# Altium PCB CU-ON-OFF-V2-08-11-18.PcbDoc (part 8 of 14)
Units mm, origin at the board's own origin, x right, y up, seen from the top; angles counter-clockwise.
Board outline 213 x 122.62 mm, 2 copper layers (Top Layer, Bottom Layer); 304 components, 53 nets, 991 pads, 702 vias.
Unrouted connection lines stored in the file: 1.
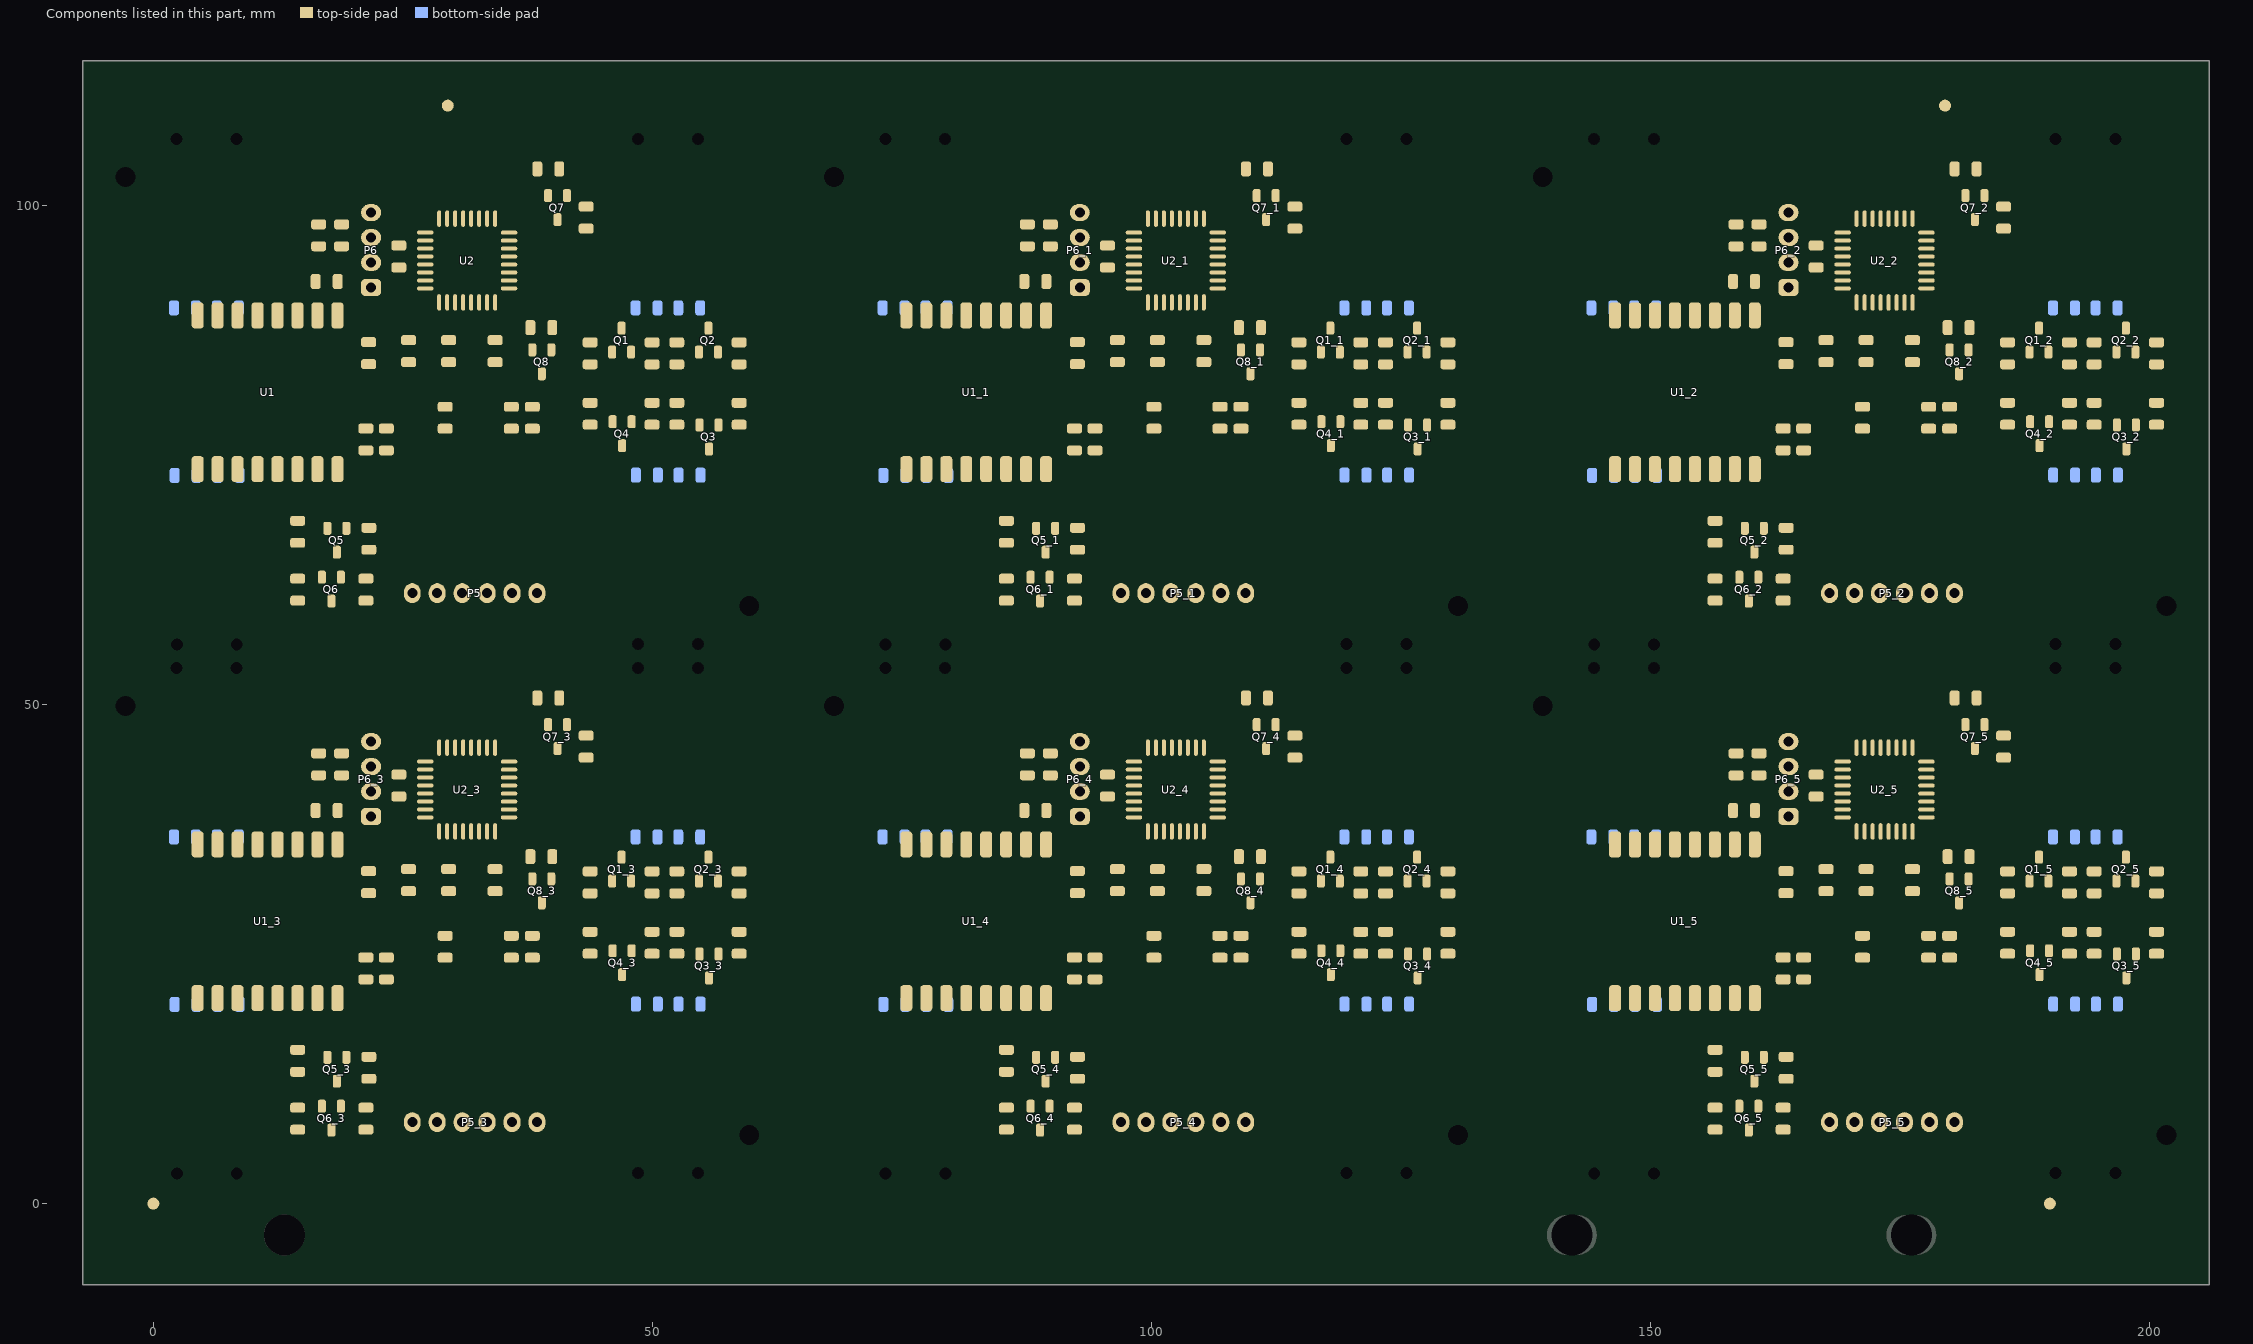
[diagram p8: the components of this part, seen from the top]

## Via types
v1: diameter 0.8, hole 0.5, Top Layer to Bottom Layer, 702 vias

## Nets (pads, with @x,y where several pads share a name; then routed paths per layer and width w, separated by ;. In a path a pad name is that pad's centre, name@x,y a point inside that pad or via, vN(x,y) a via of type N, cw(c..) or ccw(c..) an arc to the next point about the centre after c; other vN are vias at no path point) (continued)
copper on no net: (continued)
  Top Layer w0.4: 198.566,25.282 ccw(c198.657,25.373) 198.657,25.244 200.229,25.244 cw(c199.717,25.756) 199.717,25.032 cw(c199.717,24.308) 200.229,24.82 199.251,24.82 ccw(c199.251,23.922) 198.616,24.557 201.12,24.557 ccw(c201.12,24.728) 201.241,24.607 201.241,25.182 201.241,25.432 ccw(c201.181,25.372) 201.181,25.457 198.666,25.457 ; v1@198.566,30.718 cw(c198.977,30.718) v1@198.686,31.009 ; v1@198.566,30.807 ccw(c198.977,30.807) v1@198.686,30.516 ; 198.566,31.582 ccw(c198.977,31.582) v1@198.686,31.291 ; 198.566,78.281 ccw(c198.657,78.372) 198.657,78.243 200.229,78.243 cw(c199.717,78.755) 199.717,78.031 cw(c199.717,77.307) 200.229,77.819 199.251,77.819 ccw(c199.251,76.921) 198.616,77.556 201.12,77.556 ccw(c201.12,77.727) 201.241,77.606 201.241,78.181 201.241,78.431 ccw(c201.181,78.371) 201.181,78.456 198.666,78.456 ; v1@198.566,83.717 cw(c198.977,83.717) v1@198.686,84.008 ; v1@198.566,83.806 ccw(c198.977,83.806) v1@198.686,83.515 ; 198.566,84.581 ccw(c198.977,84.581) v1@198.686,84.29 ; v1@198.59,30.716 cw(c198.861,30.789) v1@198.677,30.999 ; v1@198.59,83.715 cw(c198.861,83.788) v1@198.677,83.998 ; 198.616,25.007 198.641,25.032 200.691,25.032 ; 198.616,78.006 198.641,78.031 200.691,78.031 ; 198.757,24.866 cw(c199.159,24.464) 199.159,25.032 ; 198.757,25.148 ccw(c199.038,25.43) 199.038,25.032 ; 198.757,77.865 cw(c199.159,77.463) 199.159,78.031 ; 198.757,78.147 ccw(c199.038,78.429) 199.038,78.031 ; 198.916,29.1 198.994,29.1 ccw(c198.994,30.404) 199.916,29.482 ccw(c199.312,30.086) 200.166,30.086 200.166,31.032 ; 198.916,82.099 198.994,82.099 ccw(c198.994,83.403) 199.916,82.481 ccw(c199.312,83.085) 200.166,83.085 200.166,84.031 ; 198.991,29.1 200.569,29.1 cw(c200.569,28.185) v1@201.216,28.832 ; 198.991,82.099 200.569,82.099 cw(c200.569,81.184) v1@201.216,81.831 ; 199.175,29.1 199.818,29.1 cw(c199.818,27.994) 200.6,28.776 ; 199.175,82.099 199.818,82.099 cw(c199.818,80.993) 200.6,81.775 ; v1(199.419,27.139) 199.513,27.232 200.691,27.232 ; v1(199.419,80.137) 199.513,80.231 200.691,80.231 ; v1@199.519,27.312 ccw(c199.738,27.69) 199.851,27.268 ; v1@199.519,80.311 ccw(c199.738,80.689) 199.851,80.267 ; v1@199.561,26.997 cw(c200.128,26.43) 200.128,27.232 ; v1@199.561,79.996 cw(c200.128,79.429) 200.128,80.231 ; v1@199.593,27.039 cw(c200.05,26.774) 199.914,27.285 ; v1@199.593,80.037 cw(c200.05,79.773) 199.914,80.284 ; 199.991,34.157 200.355,33.793 cw(c200.056,33.494) 200.479,33.494 ccw(c199.967,34.006) 200.691,34.006 ccw(c201.415,34.006) 200.903,33.494 ; v1@199.991,34.457 199.991,33.188 ccw(c200.247,33.188) 200.066,33.007 ccw(c200.126,33.067) 200.126,32.982 200.241,32.982 ; 199.991,87.156 200.355,86.792 cw(c200.056,86.493) 200.479,86.493 ccw(c199.967,87.005) 200.691,87.005 ccw(c201.415,87.005) 200.903,86.493 ; v1@199.991,87.456 199.991,86.187 ccw(c200.247,86.187) 200.066,86.006 ccw(c200.126,86.066) 200.126,85.981 200.241,85.981 ; 200.025,29.1 200.6,28.776 ; 200.025,82.099 200.6,81.775 ; v1@200.179,34.322 cw(c199.253,33.222) 200.691,33.222 ; v1@200.179,87.321 cw(c199.253,86.221) 200.691,86.221 ; 200.229,27.02 ccw(c199.717,26.508) 199.717,27.232 ccw(c199.717,27.956) 200.229,27.444 ; 200.229,80.019 ccw(c199.717,79.507) 199.717,80.231 ccw(c199.717,80.955) 200.229,80.443 ; v1@200.308,34.275 cw(c200.308,33.792) 200.649,34.134 cw(c200.991,34.475) v1@200.508,34.475 ; v1(200.308,34.475) 200.691,34.092 200.691,33.282 ; v1@200.308,87.274 cw(c200.308,86.791) 200.649,87.133 cw(c200.991,87.474) v1@200.508,87.474 ; v1(200.308,87.474) 200.691,87.091 200.691,86.281 ; v1@200.437,34.628 cw(c199.977,34.082) 200.691,34.082 ; v1@200.437,87.627 cw(c199.977,87.081) 200.691,87.081 ; 200.566,31.332 cw(c200.626,31.332) 200.584,31.375 200.989,31.375 ; 200.566,84.331 cw(c200.626,84.331) 200.584,84.374 200.989,84.374 ; 200.691,33.219 cw(c202.119,33.219) 201.21,34.321 ccw(c201.558,33.973) 201.066,33.973 201.066,33.482 ; 200.691,34.068 cw(c201.419,34.068) v1@200.956,34.629 ; 200.691,86.218 cw(c202.119,86.218) 201.21,87.32 ccw(c201.558,86.971) 201.066,86.971 201.066,86.481 ; 200.691,87.067 cw(c201.419,87.067) v1@200.956,87.628 ; 200.783,30.99 cw(c199.819,30.025) v1@201.183,30.025 ; 200.783,83.989 cw(c199.819,83.024) v1@201.183,83.024 ; 200.893,30.994 ccw(c201.18,31.521) 201.605,31.097 ; 200.893,83.993 ccw(c201.18,84.52) 201.605,84.096 ; 201.041,32.982 201.316,32.982 ccw(c201.135,33.163) 201.391,33.163 v1@201.391,34.482 ; 201.041,85.981 201.316,85.981 ccw(c201.135,86.162) 201.391,86.162 v1@201.391,87.481 ; 201.169,30.888 cw(c201.59,30.53) 201.59,31.082 ; 201.169,31.276 ccw(c201.59,31.634) 201.59,31.082 ; 201.169,83.887 cw(c201.59,83.529) 201.59,84.081 ; 201.169,84.275 ccw(c201.59,84.633) 201.59,84.081 ; v1@201.216,28.959 ccw(c200.875,28.617) 200.875,29.1 ccw(c200.875,29.583) v1@201.216,29.241 ; v1@201.216,81.958 ccw(c200.875,81.616) 200.875,82.099 ccw(c200.875,82.582) v1@201.216,82.24 ; v1@201.22,29.245 ccw(c200.888,29.596) 201.371,29.583 ccw(c201.854,29.57) v1@201.503,29.238 ; v1@201.22,82.244 ccw(c200.888,82.595) 201.371,82.582 ccw(c201.854,82.569) v1@201.503,82.237 ; 201.229,30.997 ccw(c201.816,30.823) v1@201.383,30.39 ; 201.229,83.996 ccw(c201.816,83.822) v1@201.383,83.389 ; v1@201.234,30.158 ccw(c200.969,30.396) 201.277,30.573 ; v1@201.234,83.157 ccw(c200.969,83.395) 201.277,83.572 ; v1@201.238,29.887 cw(c200.887,29.555) 201.37,29.542 cw(c201.853,29.529) v1@201.52,29.88 ; v1@201.238,82.886 cw(c200.887,82.554) 201.37,82.541 cw(c201.853,82.528) v1@201.52,82.879 ; v1@201.575,28.901 201.5,28.801 201.3,28.776 200.6,28.776 ; v1@201.575,81.9 201.5,81.8 201.3,81.775 200.6,81.775 ; 10.441,23.682 15.366,28.607 22.616,28.607 23.116,29.107 23.116,33.757 27.241,37.882 ; 12.866,8.007 13.466,7.407 14.466,7.407 ; 12.866,8.007 12.866,14.732 ; 12.866,14.732 13.541,15.407 ; 14.466,6.703 14.466,7.407 ; 16.191,10.457 16.191,14.007 ; 16.191,10.457 16.191,9.744 ccw(c16.703,9.744) 16.341,9.382 ccw(c16.462,9.503) 16.462,9.332 ; 16.191,14.007 cw(c16.934,13.265) 17.36,14.224 16.884,14.224 ccw(c16.884,13.739) 16.541,14.082 ccw(c17.386,13.237) 16.191,13.237 16.191,13.132 16.191,14.208 ; 16.191,14.007 17.216,15.032 17.466,15.032 17.466,15.807 17.816,16.157 ; 16.191,14.208 cw(c17.215,14.208) 16.491,14.932 cw(c16.913,14.51) 16.913,15.107 ; 16.191,14.208 cw(c16.618,14.208) 16.316,14.51 16.913,15.107 ; 16.191,14.208 16.191,14.891 cw(c17.557,14.891) 16.591,15.857 cw(c17.315,15.133) 17.315,16.157 17.816,16.157 ; 16.191,67.207 cw(c16.618,67.207) 16.316,67.509 16.913,68.106 ; 16.191,67.207 cw(c17.215,67.207) 16.491,67.931 cw(c16.913,67.509) 16.913,68.106 ; 16.266,33.657 16.891,33.032 ; 16.441,23.432 19.091,26.082 25.791,26.082 28.116,28.407 28.116,32.957 ; 16.891,33.032 20.791,33.032 ; 16.995,33.403 ccw(c17.348,33.756) 17.348,33.257 20.471,33.257 ccw(c20.471,34.152) 21.104,33.519 ; 17.016,41.507 18.841,41.507 ; 17.816,16.157 23.666,16.157 ; 17.834,41.507 18.841,41.507 ; 17.891,17.932 18.466,18.507 18.466,20.582 ; 18.466,20.582 v1@21.666,20.582 ; 18.466,20.582 18.466,23.432 ; 18.466,23.432 19.616,24.582 ; 19.341,46.962 19.341,46.033 ccw(c20.792,46.033) 19.766,45.007 ccw(c21.175,46.416) 21.175,44.424 21.561,44.424 cw(c21.168,46.834) 19.441,45.107 ; 19.441,45.107 20.766,43.782 ; 23.003,36.77 24.066,37.832 24.066,39.162 ; 23.666,16.157 24.091,16.157 ; 24.016,32.932 24.491,33.407 ; 24.066,39.162 cw(c25.261,39.162) 24.416,40.007 cw(c25.08,39.343) 25.08,40.282 27.241,40.282 27.241,40.415 ; 24.066,39.162 24.066,40.682 24.591,40.782 ; 24.091,16.157 24.416,16.157 ; v1@24.525,20.241 cw(c24.183,19.899) v1@24.666,19.899 ; v1@24.525,20.241 cw(c24.183,19.899) v1@24.666,19.899 ; v1@24.525,20.241 cw(c24.183,19.899) v1@24.666,19.899 ; v1@24.525,20.241 cw(c24.183,19.899) v1@24.666,19.899 ; v1@24.525,20.241 cw(c24.183,19.899) v1@24.666,19.899 ; v1@24.548,19.769 ccw(c24.413,19.955) v1@24.635,20.014 ; v1@24.548,19.769 ccw(c24.413,19.955) v1@24.635,20.014 ; v1@24.548,19.769 ccw(c24.413,19.955) v1@24.635,20.014 ; v1@24.548,19.769 ccw(c24.413,19.955) v1@24.635,20.014 ; v1@24.548,19.769 ccw(c24.413,19.955) v1@24.635,20.014 ; 24.591,40.782 25.064,40.753 26.212,40.575 ; 24.591,40.782 27.306,40.782 ; v1@24.666,19.899 cw(c25.149,19.899) v1@24.807,20.241 ; v1@24.666,19.899 cw(c25.149,19.899) v1@24.807,20.241 ; v1@24.666,19.899 cw(c25.149,19.899) v1@24.807,20.241 ; v1@24.666,19.899 cw(c25.149,19.899) v1@24.807,20.241 ; v1@24.666,19.899 cw(c25.149,19.899) v1@24.807,20.241 ; v1@24.697,20.014 ccw(c24.919,19.955) v1@24.784,19.769 ; v1@24.697,20.014 ccw(c24.919,19.955) v1@24.784,19.769 ; v1@24.697,20.014 ccw(c24.919,19.955) v1@24.784,19.769 ; v1@24.697,20.014 ccw(c24.919,19.955) v1@24.784,19.769 ; v1@24.697,20.014 ccw(c24.919,19.955) v1@24.784,19.769 ; 24.741,42.682 27.241,42.682 27.241,41.882 26.441,41.882 cw(c26.441,42.003) 26.356,41.917 26.016,42.257 ccw(c24.99,41.231) 24.99,42.682 24.741,42.682 ; 26.08,12.207 26.199,12.207 ccw(c26.199,13.999) 27.466,12.732 31.682,16.948 ccw(c31.298,17.332) 31.841,17.332 ; 26.212,40.575 27.241,40.415 ; 27.241,40.415 27.241,40.579 27.368,40.507 27.641,40.353 ; 27.241,40.415 27.261,40.412 27.641,40.353 ; 27.241,41.082 27.496,40.827 ; 27.306,40.782 27.245,40.823 27.496,40.827 ; 27.306,40.782 27.492,40.657 27.641,40.557 27.641,40.353 ; 27.306,40.782 27.541,40.782 27.496,40.827 ; 27.341,10.882 ccw(c27.341,11.667) 27.896,11.112 32.411,15.627 ccw(c31.856,16.182) 32.641,16.182 ; 27.341,10.882 32.641,16.182 ; 27.891,45.582 cw(c28.193,45.884) 27.766,45.884 27.766,46.235 ccw(c27.168,46.235) 27.591,46.657 ccw(c26.444,45.51) 26.444,47.132 25.916,47.132 cw(c25.916,46.106) 26.642,46.832 27.891,45.582 ; 27.891,98.581 cw(c28.193,98.883) 27.766,98.883 27.766,99.234 ccw(c27.168,99.234) 27.591,99.656 ccw(c26.444,98.509) 26.444,100.131 25.916,100.131 cw(c25.916,99.105) 26.642,99.83 27.891,98.581 ; 28.116,32.957 cw(c28.599,32.957) 28.257,33.298 29.591,34.632 ; 28.116,32.957 28.591,33.432 ; v1@28.391,19.832 v1(28.491,19.832) 28.441,19.882 v1@28.391,19.832 ; 29.591,34.632 30.241,35.282 ; v1@31.5,43.876 cw(c30.549,44.827) 30.549,43.482 29.9,43.482 v1@31.5,43.876 ; 31.5,96.875 cw(c30.549,97.826) 30.549,96.481 29.9,96.481 31.5,96.875 ; 33.441,35.207 33.441,37.282 ; 33.441,37.282 33.441,38.568 ; 37.356,45.732 cw(c37.356,45.647) 37.416,45.707 cw(c36.933,45.224) 37.616,45.224 ; 37.356,45.732 37.456,45.732 cw(c37.456,45.647) 37.516,45.707 cw(c37.275,45.466) 37.616,45.466 37.616,45.224 ; 37.356,98.731 cw(c37.356,98.646) 37.416,98.706 cw(c36.933,98.223) 37.616,98.223 ; 37.356,98.731 37.456,98.731 cw(c37.456,98.646) 37.516,98.706 cw(c37.275,98.465) 37.616,98.465 37.616,98.223 ; 43.216,24.76 ccw(c45.094,24.76) 43.766,23.432 ; 43.216,24.76 ccw(c45.697,24.76) 43.943,23.005 46.71,20.238 ccw(c46.966,20.494) 46.966,20.132 ccw(c46.725,20.132) 46.895,20.303 43.766,23.432 ; 43.216,77.759 ccw(c45.697,77.759) 43.943,76.004 46.71,73.237 ccw(c46.966,73.493) 46.966,73.131 ccw(c46.725,73.131) 46.895,73.302 43.766,76.431 cw(c45.094,77.759) 43.216,77.759 ; 46.916,34.707 47.378,34.707 ; 52.441,30.471 52.441,31.082 ; 52.751,33.557 cw(c52.751,33.342) 52.903,33.494 ; 52.751,33.557 cw(c52.751,33.342) 52.903,33.494 ; 52.751,33.557 53.419,33.557 cw(c53.419,31.935) 54.566,33.082 54.813,32.835 cw(c54.685,32.707) 54.866,32.707 cw(c54.866,34.156) 53.842,33.131 53.691,33.282 ; 52.751,86.556 cw(c52.751,86.341) 52.903,86.493 ccw(c52.751,86.341) 52.751,86.556 ; 53.919,29.1 ccw(c53.919,27.929) 53.091,28.757 ccw(c53.332,28.516) 52.991,28.516 52.991,27.407 52.991,28.203 cw(c53.845,28.203) 53.241,28.807 53.262,28.828 cw(c53.919,28.17) 53.919,29.1 ; 53.919,82.099 ccw(c53.919,81.169) 53.262,81.827 53.241,81.806 ccw(c53.845,81.202) 52.991,81.202 52.991,80.406 52.991,81.515 cw(c53.332,81.515) 53.091,81.756 cw(c53.919,80.928) 53.919,82.099 ; v1@59.383,30.39 58.691,31.082 59.59,31.082 ; 81.441,23.682 86.366,28.607 93.616,28.607 94.116,29.107 94.116,33.757 98.241,37.882 ; 81.441,76.681 86.366,81.606 93.616,81.606 94.116,82.106 94.116,86.756 98.241,90.881 ; 83.866,8.007 84.466,7.407 85.466,7.407 ; 83.866,8.007 83.866,14.732 ; 83.866,14.732 84.541,15.407 ; 83.866,61.006 84.466,60.406 85.466,60.406 ; 83.866,61.006 83.866,67.731 ; 83.866,67.731 84.541,68.406 ; 85.466,6.703 85.466,7.407 ; 85.466,59.702 85.466,60.406 ; 87.191,10.457 87.191,14.007 ; 87.191,10.457 87.191,9.744 ccw(c87.703,9.744) 87.341,9.382 ccw(c87.462,9.503) 87.462,9.332 ; 87.191,14.007 cw(c87.934,13.265) 88.36,14.224 87.884,14.224 ccw(c87.884,13.739) 87.541,14.082 ccw(c88.386,13.237) 87.191,13.237 87.191,13.132 87.191,14.208 ; 87.191,14.007 88.216,15.032 88.466,15.032 88.466,15.807 88.816,16.157 ; 87.191,14.208 cw(c88.215,14.208) 87.491,14.932 cw(c87.913,14.51) 87.913,15.107 ; 87.191,14.208 cw(c87.618,14.208) 87.316,14.51 87.913,15.107 ; 87.191,14.208 87.191,14.891 cw(c88.557,14.891) 87.591,15.857 cw(c88.315,15.133) 88.315,16.157 88.816,16.157 ; 87.191,63.456 87.191,67.006 ; 87.191,63.456 87.191,62.743 ccw(c87.703,62.743) 87.341,62.381 ccw(c87.462,62.502) 87.462,62.331 ; 87.191,67.006 cw(c87.934,66.263) 88.36,67.223 87.884,67.223 ccw(c87.884,66.738) 87.541,67.081 ccw(c88.386,66.236) 87.191,66.236 87.191,66.131 87.191,67.207 ; 87.191,67.006 88.216,68.031 88.466,68.031 88.466,68.806 88.816,69.156 ; 87.191,67.207 cw(c88.215,67.207) 87.491,67.931 cw(c87.913,67.509) 87.913,68.106 ; 87.191,67.207 cw(c87.618,67.207) 87.316,67.509 87.913,68.106 ; 87.191,67.207 87.191,67.89 cw(c88.557,67.89) 87.591,68.856 cw(c88.315,68.132) 88.315,69.156 88.816,69.156 ; 87.266,33.657 87.891,33.032 ; 87.266,86.656 87.891,86.031 ; 87.441,23.432 90.091,26.082 96.791,26.082 99.116,28.407 99.116,32.957 ; 87.441,76.431 90.091,79.081 96.791,79.081 99.116,81.406 99.116,85.956 ; 87.891,33.032 91.791,33.032 ; 87.891,86.031 91.791,86.031 ; 87.995,33.403 ccw(c88.348,33.756) 88.348,33.257 91.471,33.257 ccw(c91.471,34.152) 92.104,33.519 ; 87.995,86.402 ccw(c88.348,86.755) 88.348,86.256 91.471,86.256 ccw(c91.471,87.151) 92.104,86.518 ; 88.016,41.507 89.841,41.507 ; 88.016,94.506 89.841,94.506 ; 88.816,16.157 94.666,16.157 ; 88.816,69.156 94.666,69.156 ; 88.834,41.507 89.841,41.507 ; 88.834,94.506 89.841,94.506 ; 88.891,17.932 89.466,18.507 89.466,20.582 ; 88.891,70.931 89.466,71.506 89.466,73.581 ; 89.466,20.582 v1@92.666,20.582 ; 89.466,20.582 89.466,23.432 ; 89.466,23.432 90.616,24.582 ; 89.466,73.581 v1@92.666,73.581 ; 89.466,73.581 89.466,76.431 ; 89.466,76.431 90.616,77.581 ; 90.341,46.962 90.341,46.033 ccw(c91.792,46.033) 90.766,45.007 ccw(c92.175,46.416) 92.175,44.424 92.561,44.424 cw(c92.168,46.834) 90.441,45.107 ; 90.341,99.961 90.341,99.032 ccw(c91.792,99.032) 90.766,98.006 ccw(c92.175,99.415) 92.175,97.423 92.561,97.423 cw(c92.168,99.833) 90.441,98.106 ; 90.441,45.107 91.766,43.782 ; 90.441,98.106 91.766,96.781 ; 94.003,36.77 95.066,37.832 95.066,39.162 ; 94.003,89.769 95.066,90.831 95.066,92.161 ; 94.666,16.157 95.091,16.157 ; 94.666,69.156 95.091,69.156 ; 95.016,32.932 95.491,33.407 ; 95.016,85.931 95.491,86.406 ; 95.066,39.162 cw(c96.261,39.162) 95.416,40.007 cw(c96.08,39.343) 96.08,40.282 98.241,40.282 98.241,40.415 ; 95.066,39.162 95.066,40.682 95.591,40.782 ; 95.066,92.161 cw(c96.261,92.161) 95.416,93.006 cw(c96.08,92.342) 96.08,93.281 98.241,93.281 98.241,93.414 ; 95.066,92.161 95.066,93.681 95.591,93.781 ; 95.091,16.157 95.416,16.157 ; 95.091,69.156 95.416,69.156 ; v1@95.525,20.241 cw(c95.183,19.899) v1@95.666,19.899 ; v1@95.525,20.241 cw(c95.183,19.899) v1@95.666,19.899 ; v1@95.525,20.241 cw(c95.183,19.899) v1@95.666,19.899 ; v1@95.525,20.241 cw(c95.183,19.899) v1@95.666,19.899 ; v1@95.525,20.241 cw(c95.183,19.899) v1@95.666,19.899 ; v1@95.525,73.24 cw(c95.183,72.898) v1@95.666,72.898 ; v1@95.525,73.24 cw(c95.183,72.898) v1@95.666,72.898 ; v1@95.525,73.24 cw(c95.183,72.898) v1@95.666,72.898 ; v1@95.525,73.24 cw(c95.183,72.898) v1@95.666,72.898 ; v1@95.525,73.24 cw(c95.183,72.898) v1@95.666,72.898 ; v1@95.548,19.769 ccw(c95.413,19.955) v1@95.635,20.014 ; v1@95.548,19.769 ccw(c95.413,19.955) v1@95.635,20.014 ; v1@95.548,19.769 ccw(c95.413,19.955) v1@95.635,20.014 ; v1@95.548,19.769 ccw(c95.413,19.955) v1@95.635,20.014 ; v1@95.548,19.769 ccw(c95.413,19.955) v1@95.635,20.014 ; v1@95.548,72.768 ccw(c95.413,72.954) v1@95.635,73.013 ; v1@95.548,72.768 ccw(c95.413,72.954) v1@95.635,73.013 ; v1@95.548,72.768 ccw(c95.413,72.954) v1@95.635,73.013 ; v1@95.548,72.768 ccw(c95.413,72.954) v1@95.635,73.013 ; v1@95.548,72.768 ccw(c95.413,72.954) v1@95.635,73.013 ; 95.591,40.782 96.064,40.753 97.211,40.575 ; 95.591,40.782 98.306,40.782 ; 95.591,93.781 96.064,93.752 97.211,93.574 ; 95.591,93.781 98.306,93.781 ; v1@95.666,19.899 cw(c96.149,19.899) v1@95.807,20.241 ; v1@95.666,19.899 cw(c96.149,19.899) v1@95.807,20.241 ; v1@95.666,19.899 cw(c96.149,19.899) v1@95.807,20.241 ; v1@95.666,19.899 cw(c96.149,19.899) v1@95.807,20.241 ; v1@95.666,19.899 cw(c96.149,19.899) v1@95.807,20.241 ; v1@95.666,72.898 cw(c96.149,72.898) v1@95.807,73.24 ; v1@95.666,72.898 cw(c96.149,72.898) v1@95.807,73.24 ; v1@95.666,72.898 cw(c96.149,72.898) v1@95.807,73.24 ; v1@95.666,72.898 cw(c96.149,72.898) v1@95.807,73.24 ; v1@95.666,72.898 cw(c96.149,72.898) v1@95.807,73.24 ; v1@95.697,20.014 ccw(c95.919,19.955) v1@95.784,19.769 ; v1@95.697,20.014 ccw(c95.919,19.955) v1@95.784,19.769 ; v1@95.697,20.014 ccw(c95.919,19.955) v1@95.784,19.769 ; v1@95.697,20.014 ccw(c95.919,19.955) v1@95.784,19.769 ; v1@95.697,20.014 ccw(c95.919,19.955) v1@95.784,19.769 ; v1@95.697,73.013 ccw(c95.919,72.954) v1@95.784,72.768 ; v1@95.697,73.013 ccw(c95.919,72.954) v1@95.784,72.768 ; v1@95.697,73.013 ccw(c95.919,72.954) v1@95.784,72.768 ; v1@95.697,73.013 ccw(c95.919,72.954) v1@95.784,72.768 ; v1@95.697,73.013 ccw(c95.919,72.954) v1@95.784,72.768 ; 95.741,42.682 98.241,42.682 98.241,41.882 97.441,41.882 cw(c97.441,42.003) 97.356,41.917 97.016,42.257 ccw(c95.99,41.231) 95.99,42.682 95.741,42.682 ; 95.741,95.681 98.241,95.681 98.241,94.881 97.441,94.881 cw(c97.441,95.002) 97.356,94.916 97.016,95.256 ccw(c95.99,94.23) 95.99,95.681 95.741,95.681 ; 97.08,12.207 97.198,12.207 ccw(c97.198,13.999) 98.466,12.732 102.682,16.948 ccw(c102.298,17.332) 102.841,17.332 ; 97.08,65.206 97.198,65.206 ccw(c97.198,66.998) 98.466,65.731 102.682,69.947 ccw(c102.298,70.331) 102.841,70.331 ; 97.211,40.575 98.241,40.415 ; 97.211,93.574 98.241,93.414 ; 98.241,40.415 98.241,40.579 98.368,40.507 98.641,40.353 ; 98.241,40.415 98.261,40.412 98.641,40.353 ; 98.241,41.082 98.496,40.827 ; 98.241,93.414 98.241,93.578 98.368,93.506 98.641,93.352 ; 98.241,93.414 98.261,93.411 98.641,93.352 ; 98.241,94.081 98.496,93.826 ; 98.306,40.782 98.245,40.823 98.496,40.827 ; 98.306,40.782 98.492,40.657 98.641,40.557 98.641,40.353 ; 98.306,40.782 98.541,40.782 98.496,40.827 ; 98.306,93.781 98.245,93.822 98.496,93.826 ; 98.306,93.781 98.492,93.656 98.641,93.556 98.641,93.352 ; 98.306,93.781 98.541,93.781 98.496,93.826 ; 98.341,10.882 ccw(c98.341,11.667) 98.896,11.112 103.411,15.627 ccw(c102.856,16.182) 103.641,16.182 ; 98.341,10.882 103.641,16.182 ; 98.341,63.881 ccw(c98.341,64.666) 98.896,64.111 103.411,68.626 ccw(c102.856,69.181) 103.641,69.181 ; 98.341,63.881 103.641,69.181 ; 98.891,45.582 cw(c99.193,45.884) 98.766,45.884 98.766,46.235 ccw(c98.168,46.235) 98.591,46.657 ccw(c97.444,45.51) 97.444,47.132 96.916,47.132 cw(c96.916,46.106) 97.641,46.832 98.891,45.582 ; 98.891,98.581 cw(c99.193,98.883) 98.766,98.883 98.766,99.234 ccw(c98.168,99.234) 98.591,99.656 ccw(c97.444,98.509) 97.444,100.131 96.916,100.131 cw(c96.916,99.105) 97.641,99.83 98.891,98.581 ; 99.116,32.957 cw(c99.599,32.957) 99.257,33.298 100.591,34.632 ; 99.116,32.957 99.591,33.432 ; 99.116,85.956 cw(c99.599,85.956) 99.257,86.297 100.591,87.631 ; 99.116,85.956 99.591,86.431 ; v1@99.391,19.832 v1(99.491,19.832) 99.441,19.882 v1@99.391,19.832 ; v1@99.391,72.831 v1(99.491,72.831) 99.441,72.881 v1@99.391,72.831 ; 100.591,34.632 101.241,35.282 ; 100.591,87.631 101.241,88.281 ; v1@102.5,43.876 cw(c101.549,44.827) 101.549,43.482 100.9,43.482 v1@102.5,43.876 ; v1@102.5,96.875 cw(c101.549,97.826) 101.549,96.481 100.9,96.481 v1@102.5,96.875 ; 104.441,35.207 104.441,37.282 ; 104.441,37.282 104.441,38.568 ; 104.441,88.206 104.441,90.281 ; 104.441,90.281 104.441,91.567 ; 108.356,45.732 cw(c108.356,45.647) 108.416,45.707 cw(c107.933,45.224) 108.616,45.224 ; 108.356,45.732 108.456,45.732 cw(c108.456,45.647) 108.516,45.707 cw(c108.275,45.466) 108.616,45.466 108.616,45.224 ; 108.356,98.731 cw(c108.356,98.646) 108.416,98.706 cw(c107.933,98.223) 108.616,98.223 ; 108.356,98.731 108.456,98.731 cw(c108.456,98.646) 108.516,98.706 cw(c108.275,98.465) 108.616,98.465 108.616,98.223 ; 114.216,24.76 ccw(c116.094,24.76) 114.766,23.432 ; 114.216,24.76 ccw(c116.697,24.76) 114.943,23.005 117.71,20.238 ccw(c117.966,20.494) 117.966,20.132 ccw(c117.725,20.132) 117.895,20.303 114.766,23.432 ; 114.216,77.759 ccw(c116.094,77.759) 114.766,76.431 ; 114.216,77.759 ccw(c116.697,77.759) 114.943,76.004 117.71,73.237 ccw(c117.966,73.493) 117.966,73.131 ccw(c117.725,73.131) 117.895,73.302 114.766,76.431 ; 117.916,34.707 118.378,34.707 ; 117.916,87.706 118.378,87.706 ; 123.441,30.471 123.441,31.082 ; 123.441,83.47 123.441,84.081 ; 123.751,33.557 cw(c123.751,33.342) 123.903,33.494 ; 123.751,33.557 cw(c123.751,33.342) 123.903,33.494 ; 123.751,33.557 124.419,33.557 cw(c124.419,31.935) 125.566,33.082 125.813,32.835 cw(c125.685,32.707) 125.866,32.707 cw(c125.866,34.156) 124.842,33.131 124.691,33.282 ; 123.751,86.556 cw(c123.751,86.341) 123.903,86.493 ; 123.751,86.556 cw(c123.751,86.341) 123.903,86.493 ; 123.751,86.556 124.419,86.556 cw(c124.419,84.934) 125.566,86.081 125.813,85.834 cw(c125.685,85.706) 125.866,85.706 cw(c125.866,87.155) 124.842,86.13 124.691,86.281 ; 124.919,29.1 ccw(c124.919,27.929) 124.091,28.757 ccw(c124.332,28.516) 123.991,28.516 123.991,27.407 123.991,28.203 cw(c124.844,28.203) 124.241,28.807 124.262,28.828 cw(c124.919,28.17) 124.919,29.1 ; 124.919,82.099 ccw(c124.919,80.928) 124.091,81.756 ccw(c124.332,81.515) 123.991,81.515 123.991,80.406 123.991,81.202 cw(c124.844,81.202) 124.241,81.806 124.262,81.827 cw(c124.919,81.169) 124.919,82.099 ; v1@130.383,30.39 129.691,31.082 130.59,31.082 ; v1@130.383,83.389 129.691,84.081 130.59,84.081 ; 152.441,23.682 157.366,28.607 164.616,28.607 165.116,29.107 165.116,33.757 169.241,37.882 ; 152.441,76.681 157.366,81.606 164.616,81.606 165.116,82.106 165.116,86.756 169.241,90.881 ; 154.866,8.007 155.466,7.407 156.466,7.407 ; 154.866,8.007 154.866,14.732 ; 154.866,14.732 155.541,15.407 ; 154.866,61.006 155.466,60.406 156.466,60.406 ; 154.866,61.006 154.866,67.731 ; 154.866,67.731 155.541,68.406 ; 156.466,6.703 156.466,7.407 ; 156.466,59.702 156.466,60.406 ; 158.191,10.457 158.191,14.007 ; 158.191,10.457 158.191,9.744 ccw(c158.703,9.744) 158.341,9.382 ccw(c158.462,9.503) 158.462,9.332 ; 158.191,14.007 cw(c158.933,13.265) 159.36,14.224 158.884,14.224 ccw(c158.884,13.739) 158.541,14.082 ccw(c159.386,13.237) 158.191,13.237 158.191,13.132 158.191,14.208 ; 158.191,14.007 159.216,15.032 159.466,15.032 159.466,15.807 159.816,16.157 ; 158.191,14.208 cw(c159.215,14.208) 158.491,14.932 cw(c158.913,14.51) 158.913,15.107 ; 158.191,14.208 cw(c158.618,14.208) 158.316,14.51 158.913,15.107 ; 158.191,14.208 158.191,14.891 cw(c159.557,14.891) 158.591,15.857 cw(c159.315,15.133) 159.315,16.157 159.816,16.157 ; 158.191,63.456 158.191,67.006 ; 158.191,63.456 158.191,62.743 ccw(c158.703,62.743) 158.341,62.381 ccw(c158.462,62.502) 158.462,62.331 ; 158.191,67.006 cw(c158.933,66.263) 159.36,67.223 158.884,67.223 ccw(c158.884,66.738) 158.541,67.081 ccw(c159.386,66.236) 158.191,66.236 158.191,66.131 158.191,67.207 ; 158.191,67.006 159.216,68.031 159.466,68.031 159.466,68.806 159.816,69.156 ; 158.191,67.207 cw(c159.215,67.207) 158.491,67.931 cw(c158.913,67.509) 158.913,68.106 ; 158.191,67.207 cw(c158.618,67.207) 158.316,67.509 158.913,68.106 ; 158.191,67.207 158.191,67.89 cw(c159.557,67.89) 158.591,68.856 cw(c159.315,68.132) 159.315,69.156 159.816,69.156 ; 158.266,33.657 158.891,33.032 ; 158.266,86.656 158.891,86.031 ; 158.441,23.432 161.091,26.082 167.791,26.082 170.116,28.407 170.116,32.957 ; 158.441,76.431 161.091,79.081 167.791,79.081 170.116,81.406 170.116,85.956 ; 158.891,33.032 162.791,33.032 ; 158.891,86.031 162.791,86.031 ; 158.995,33.403 ccw(c159.348,33.756) 159.348,33.257 162.471,33.257 ccw(c162.471,34.152) 163.104,33.519 ; 158.995,86.402 ccw(c159.348,86.755) 159.348,86.256 162.471,86.256 ccw(c162.471,87.151) 163.104,86.518 ; 159.016,41.507 160.841,41.507 ; 159.016,94.506 160.841,94.506 ; 159.816,16.157 165.666,16.157 ; 159.816,69.156 165.666,69.156 ; 159.834,41.507 160.841,41.507 ; 159.834,94.506 160.841,94.506 ; 159.891,17.932 160.466,18.507 160.466,20.582 ; 159.891,70.931 160.466,71.506 160.466,73.581 ; 160.466,20.582 v1@163.666,20.582 ; 160.466,20.582 160.466,23.432 ; 160.466,23.432 161.616,24.582 ; 160.466,73.581 v1@163.666,73.581 ; 160.466,73.581 160.466,76.431 ; 160.466,76.431 161.616,77.581 ; 161.341,46.962 161.341,46.033 ccw(c162.792,46.033) 161.766,45.007 ccw(c163.175,46.416) 163.175,44.424 163.561,44.424 cw(c163.168,46.834) 161.441,45.107 ; 161.341,99.961 161.341,99.032 ccw(c162.792,99.032) 161.766,98.006 ccw(c163.175,99.415) 163.175,97.423 163.561,97.423 cw(c163.168,99.833) 161.441,98.106 ; 161.441,45.107 162.766,43.782 ; 161.441,98.106 162.766,96.781 ; 165.003,36.77 166.066,37.832 166.066,39.162 ; 165.003,89.769 166.066,90.831 166.066,92.161 ; 165.666,16.157 166.091,16.157 ; 165.666,69.156 166.091,69.156 ; 166.016,32.932 166.491,33.407 ; 166.016,85.931 166.491,86.406 ; 166.066,39.162 cw(c167.261,39.162) 166.416,40.007 cw(c167.08,39.343) 167.08,40.282 169.241,40.282 169.241,40.415 ; 166.066,39.162 166.066,40.682 166.591,40.782 ; 166.066,92.161 cw(c167.261,92.161) 166.416,93.006 cw(c167.08,92.342) 167.08,93.281 169.241,93.281 169.241,93.414 ; 166.066,92.161 166.066,93.681 166.591,93.781 ; 166.091,16.157 166.416,16.157 ; 166.091,69.156 166.416,69.156 ; v1@166.524,20.241 cw(c166.183,19.899) v1@166.666,19.899 ; v1@166.524,20.241 cw(c166.183,19.899) v1@166.666,19.899 ; v1@166.524,20.241 cw(c166.183,19.899) v1@166.666,19.899 ; v1@166.524,20.241 cw(c166.183,19.899) v1@166.666,19.899 ; v1@166.524,20.241 cw(c166.183,19.899) v1@166.666,19.899 ; v1@166.524,73.24 cw(c166.183,72.898) v1@166.666,72.898 ; v1@166.524,73.24 cw(c166.183,72.898) v1@166.666,72.898 ; v1@166.524,73.24 cw(c166.183,72.898) v1@166.666,72.898 ; v1@166.524,73.24 cw(c166.183,72.898) v1@166.666,72.898 ; v1@166.524,73.24 cw(c166.183,72.898) v1@166.666,72.898 ; v1@166.548,19.769 ccw(c166.413,19.955) v1@166.635,20.014 ; v1@166.548,19.769 ccw(c166.413,19.955) v1@166.635,20.014 ; v1@166.548,19.769 ccw(c166.413,19.955) v1@166.635,20.014 ; v1@166.548,19.769 ccw(c166.413,19.955) v1@166.635,20.014 ; v1@166.548,19.769 ccw(c166.413,19.955) v1@166.635,20.014 ; v1@166.548,72.768 ccw(c166.413,72.954) v1@166.635,73.013 ; v1@166.548,72.768 ccw(c166.413,72.954) v1@166.635,73.013 ; v1@166.548,72.768 ccw(c166.413,72.954) v1@166.635,73.013 ; v1@166.548,72.768 ccw(c166.413,72.954) v1@166.635,73.013 ; v1@166.548,72.768 ccw(c166.413,72.954) v1@166.635,73.013 ; 166.591,40.782 167.064,40.753 168.211,40.575 ; 166.591,40.782 169.306,40.782 ; 166.591,93.781 167.064,93.752 168.211,93.574 ; 166.591,93.781 169.306,93.781 ; v1@166.666,19.899 cw(c167.149,19.899) v1@166.807,20.241 ; v1@166.666,19.899 cw(c167.149,19.899) v1@166.807,20.241 ; v1@166.666,19.899 cw(c167.149,19.899) v1@166.807,20.241 ; v1@166.666,19.899 cw(c167.149,19.899) v1@166.807,20.241 ; v1@166.666,19.899 cw(c167.149,19.899) v1@166.807,20.241 ; v1@166.666,72.898 cw(c167.149,72.898) v1@166.807,73.24 ; v1@166.666,72.898 cw(c167.149,72.898) v1@166.807,73.24 ; v1@166.666,72.898 cw(c167.149,72.898) v1@166.807,73.24 ; v1@166.666,72.898 cw(c167.149,72.898) v1@166.807,73.24 ; v1@166.666,72.898 cw(c167.149,72.898) v1@166.807,73.24 ; v1@166.697,20.014 ccw(c166.919,19.955) v1@166.784,19.769 ; v1@166.697,20.014 ccw(c166.919,19.955) v1@166.784,19.769 ; v1@166.697,20.014 ccw(c166.919,19.955) v1@166.784,19.769 ; v1@166.697,20.014 ccw(c166.919,19.955) v1@166.784,19.769 ; v1@166.697,20.014 ccw(c166.919,19.955) v1@166.784,19.769 ; v1@166.697,73.013 ccw(c166.919,72.954) v1@166.784,72.768 ; v1@166.697,73.013 ccw(c166.919,72.954) v1@166.784,72.768 ; v1@166.697,73.013 ccw(c166.919,72.954) v1@166.784,72.768 ; v1@166.697,73.013 ccw(c166.919,72.954) v1@166.784,72.768 ; v1@166.697,73.013 ccw(c166.919,72.954) v1@166.784,72.768 ; 166.741,42.682 169.241,42.682 169.241,41.882 168.441,41.882 cw(c168.441,42.003) 168.356,41.917 168.016,42.257 ccw(c166.99,41.231) 166.99,42.682 166.741,42.682 ; 166.741,95.681 169.241,95.681 169.241,94.881 168.441,94.881 cw(c168.441,95.002) 168.356,94.916 168.016,95.256 ccw(c166.99,94.23) 166.99,95.681 166.741,95.681 ; 168.08,12.207 168.198,12.207 ccw(c168.198,13.999) 169.466,12.732 173.682,16.948 ccw(c173.298,17.332) 173.841,17.332 ; 168.08,65.206 168.198,65.206 ccw(c168.198,66.998) 169.466,65.731 173.682,69.947 ccw(c173.298,70.331) 173.841,70.331 ; 168.211,40.575 169.241,40.415 ; 168.211,93.574 169.241,93.414 ; 169.241,40.415 169.241,40.579 169.368,40.507 169.641,40.353 ; 169.241,40.415 169.261,40.412 169.641,40.353 ; 169.241,41.082 169.496,40.827 ; 169.241,93.414 169.241,93.578 169.368,93.506 169.641,93.352 ; 169.241,93.414 169.261,93.411 169.641,93.352 ; 169.241,94.081 169.496,93.826 ; 169.306,40.782 169.245,40.823 169.496,40.827 ; 169.306,40.782 169.492,40.657 169.641,40.557 169.641,40.353 ; 169.306,40.782 169.541,40.782 169.496,40.827 ; 169.306,93.781 169.245,93.822 169.496,93.826 ; 169.306,93.781 169.492,93.656 169.641,93.556 169.641,93.352 ; 169.306,93.781 169.541,93.781 169.496,93.826 ; 169.341,10.882 ccw(c169.341,11.667) 169.896,11.112 174.411,15.627 ccw(c173.856,16.182) 174.641,16.182 ; 169.341,10.882 174.641,16.182 ; 169.341,63.881 ccw(c169.341,64.666) 169.896,64.111 174.411,68.626 ccw(c173.856,69.181) 174.641,69.181 ; 169.341,63.881 174.641,69.181 ; 169.891,45.582 cw(c170.193,45.884) 169.766,45.884 169.766,46.235 ccw(c169.168,46.235) 169.591,46.657 ccw(c168.444,45.51) 168.444,47.132 167.916,47.132 cw(c167.916,46.106) 168.641,46.832 169.891,45.582 ; 169.891,98.581 cw(c170.193,98.883) 169.766,98.883 169.766,99.234 ccw(c169.168,99.234) 169.591,99.656 ccw(c168.444,98.509) 168.444,100.131 167.916,100.131 cw(c167.916,99.105) 168.641,99.83 169.891,98.581 ; 170.116,32.957 cw(c170.599,32.957) 170.257,33.298 171.591,34.632 ; 170.116,32.957 170.591,33.432 ; 170.116,85.956 cw(c170.599,85.956) 170.257,86.297 171.591,87.631 ; 170.116,85.956 170.591,86.431 ; v1@170.391,19.832 v1(170.491,19.832) 170.441,19.882 v1@170.391,19.832 ; v1@170.391,72.831 v1(170.491,72.831) 170.441,72.881 v1@170.391,72.831 ; 171.591,34.632 172.241,35.282 ; 171.591,87.631 172.241,88.281 ; v1@173.5,43.876 cw(c172.549,44.827) 172.549,43.482 171.9,43.482 v1@173.5,43.876 ; v1@173.5,96.875 cw(c172.549,97.826) 172.549,96.481 171.9,96.481 v1@173.5,96.875 ; 175.441,35.207 175.441,37.282 ; 175.441,37.282 175.441,38.568 ; 175.441,88.206 175.441,90.281 ; 175.441,90.281 175.441,91.567 ; 179.356,45.732 cw(c179.356,45.647) 179.416,45.707 cw(c178.933,45.224) 179.616,45.224 ; 179.356,45.732 179.456,45.732 cw(c179.456,45.647) 179.516,45.707 cw(c179.274,45.466) 179.616,45.466 179.616,45.224 ; 179.356,98.731 cw(c179.356,98.646) 179.416,98.706 cw(c178.933,98.223) 179.616,98.223 ; 179.356,98.731 179.456,98.731 cw(c179.456,98.646) 179.516,98.706 cw(c179.274,98.465) 179.616,98.465 179.616,98.223 ; 185.216,24.76 ccw(c187.094,24.76) 185.766,23.432 ; 185.216,24.76 ccw(c187.697,24.76) 185.943,23.005 188.71,20.238 ccw(c188.966,20.494) 188.966,20.132 ccw(c188.724,20.132) 188.895,20.303 185.766,23.432 ; 185.216,77.759 ccw(c187.094,77.759) 185.766,76.431 ; 185.216,77.759 ccw(c187.697,77.759) 185.943,76.004 188.71,73.237 ccw(c188.966,73.493) 188.966,73.131 ccw(c188.724,73.131) 188.895,73.302 185.766,76.431 ; 188.916,34.707 189.378,34.707 ; 188.916,87.706 189.378,87.706 ; 194.441,30.471 194.441,31.082 ; 194.441,83.47 194.441,84.081 ; 194.751,33.557 cw(c194.751,33.342) 194.903,33.494 ; 194.751,33.557 cw(c194.751,33.342) 194.903,33.494 ; 194.751,33.557 195.419,33.557 cw(c195.419,31.935) 196.566,33.082 196.813,32.835 cw(c196.685,32.707) 196.866,32.707 cw(c196.866,34.156) 195.842,33.131 195.691,33.282 ; 194.751,86.556 cw(c194.751,86.341) 194.903,86.493 ; 194.751,86.556 cw(c194.751,86.341) 194.903,86.493 ; 194.751,86.556 195.419,86.556 cw(c195.419,84.934) 196.566,86.081 196.813,85.834 cw(c196.685,85.706) 196.866,85.706 cw(c196.866,87.155) 195.842,86.13 195.691,86.281 ; 195.919,29.1 ccw(c195.919,27.929) 195.091,28.757 ccw(c195.332,28.516) 194.991,28.516 194.991,27.407 194.991,28.203 cw(c195.844,28.203) 195.241,28.807 195.262,28.828 cw(c195.919,28.17) 195.919,29.1 ; 195.919,82.099 ccw(c195.919,80.928) 195.091,81.756 ccw(c195.332,81.515) 194.991,81.515 194.991,80.406 194.991,81.202 cw(c195.844,81.202) 195.241,81.806 195.262,81.827 cw(c195.919,81.169) 195.919,82.099 ; v1@201.383,30.39 200.691,31.082 201.59,31.082 ; v1@201.383,83.389 200.691,84.081 201.59,84.081 ; 47.449,34.744 cw(c47.378,34.006) 47.95,34.477 ccw(c47.378,34.006) 47.449,34.744 ; v1@47.603,35.178 ccw(c48.091,35.044) 47.914,34.57 cw(c48.091,35.044) v1@47.603,35.178 ; 118.449,34.744 cw(c118.378,34.006) 118.95,34.477 ccw(c118.378,34.006) 118.449,34.744 ; 118.449,87.743 cw(c118.378,87.005) 118.95,87.476 ccw(c118.378,87.005) 118.449,87.743 ; v1@118.603,35.178 ccw(c119.091,35.044) 118.914,34.57 cw(c119.091,35.044) v1@118.603,35.178 ; v1@118.603,88.177 ccw(c119.091,88.043) 118.914,87.569 cw(c119.091,88.043) v1@118.603,88.177 ; 189.449,34.744 cw(c189.378,34.006) 189.95,34.477 ccw(c189.378,34.006) 189.449,34.744 ; 189.449,87.743 cw(c189.378,87.005) 189.95,87.476 ccw(c189.378,87.005) 189.449,87.743 ; v1@189.603,35.178 ccw(c190.091,35.044) 189.914,34.57 cw(c190.091,35.044) v1@189.603,35.178 ; v1@189.603,88.177 ccw(c190.091,88.043) 189.914,87.569 cw(c190.091,88.043) v1@189.603,88.177
  Top Layer w0.5: v1@22.007,30.123 ccw(c21.866,30.265) 22.066,30.265 22.066,31.232 ; 22.007,83.122 ccw(c21.866,83.264) 22.066,83.264 22.066,84.231 ; v1@93.007,30.123 ccw(c92.866,30.265) 93.066,30.265 93.066,31.232 ; v1@93.007,83.122 ccw(c92.866,83.264) 93.066,83.264 93.066,84.231 ; v1@164.007,30.123 ccw(c163.866,30.265) 164.066,30.265 164.066,31.232 ; v1@164.007,83.122 ccw(c163.866,83.264) 164.066,83.264 164.066,84.231
  Top Layer w0.6: 33.916,28.807 33.916,29.169 cw(c35.879,29.169) 34.491,30.557 ; 33.916,81.806 33.916,82.168 cw(c35.879,82.168) 34.491,83.556 ; 104.916,28.807 104.916,29.169 cw(c106.879,29.169) 105.491,30.557 ; 104.916,81.806 104.916,82.168 cw(c106.879,82.168) 105.491,83.556 ; 175.916,28.807 175.916,29.169 cw(c177.879,29.169) 176.491,30.557 ; 175.916,81.806 175.916,82.168 cw(c177.879,82.168) 176.491,83.556
  Top Layer w0.8: v1@8.27,48.663 v1(8.833,49.225) cw(c8.773,49.225) 8.815,49.182 v1(8.283,48.65) ; 8.283,101.649 8.815,102.181 ccw(c8.773,102.224) 8.833,102.224 ; v1(8.308,13.625) 8.84,14.157 ccw(c8.798,14.2) v1(8.858,14.2) ; 8.308,66.624 8.84,67.156 ccw(c8.798,67.199) 8.858,67.199 ; 30.516,8.082 30.516,10.056 cw(c31.967,10.056) 30.941,11.082 ; 30.516,61.081 30.516,63.055 cw(c31.967,63.055) 30.941,64.081 ; 30.941,8.157 30.941,11.082 ; 31.366,8.082 31.366,10.34 cw(c34.183,10.34) 32.191,12.332 ; 31.366,61.081 31.366,63.339 cw(c34.183,63.339) 32.191,65.331 ; v1@31.666,43.682 v1(32.573,43.675) ; v1(31.791,42.247) v1(32.566,42.247) ; 31.791,95.246 32.566,95.246 ; v1(31.798,43.675) v1@32.705,43.668 ; 33.916,30.907 33.916,14.057 30.941,11.082 ; 35.866,26.832 35.866,30.007 37.966,32.107 ; 46.016,25.332 v1@46.016,27.167 ; v1(47.796,34.35) v1(47.796,35.125) ; 47.796,87.349 47.796,88.124 ; v1(47.858,30.375) v1(47.858,31.15) 47.858,32.299 ; v1(48.558,42) v1(49.339,42) ; 48.558,94.999 49.339,94.999 ; v1(49.708,15.425) v1@50.27,14.863 ; 49.708,68.424 50.27,67.862 ; 49.966,27.232 cw(c49.74,27.458) 49.74,27.139 v1(48.695,27.139) v1(48.695,27.914) 50.275,27.914 cw(c50.275,27.891) 50.291,27.907 cw(c50.231,27.847) 50.316,27.847 50.316,27.307 ; 49.966,80.231 cw(c49.74,80.457) 49.74,80.137 48.695,80.137 48.695,80.913 50.275,80.913 cw(c50.275,80.89) 50.291,80.906 cw(c50.231,80.846) 50.316,80.846 50.316,80.306 ; v1@52.116,30.182 52.116,31.032 52.191,31.032 ; 52.116,31.082 cw(c52.075,31.041) 52.133,31.041 v1(52.133,30.163) v1(52.908,30.163) 52.908,31.163 cw(c52.935,31.163) 52.916,31.182 ; 52.116,83.181 52.116,84.031 52.191,84.031 ; 52.116,84.081 cw(c52.075,84.04) 52.133,84.04 52.133,83.162 52.908,83.162 52.908,84.162 cw(c52.935,84.162) 52.916,84.181 ; 54.716,25.007 54.716,26.381 v1@54.716,27.933 ; v1@56.566,30.396 56.566,32.307 ; v1@79.27,48.663 v1(79.833,49.225) cw(c79.773,49.225) 79.815,49.182 v1(79.283,48.65) ; v1@79.27,101.662 v1(79.833,102.224) cw(c79.773,102.224) 79.815,102.181 v1(79.283,101.649) ; v1(79.308,13.625) 79.84,14.157 ccw(c79.798,14.2) v1(79.858,14.2) ; v1(79.308,66.624) 79.84,67.156 ccw(c79.798,67.199) v1(79.858,67.199) ; 101.516,8.082 101.516,10.056 cw(c102.967,10.056) 101.941,11.082 ; 101.516,61.081 101.516,63.055 cw(c102.967,63.055) 101.941,64.081 ; 101.941,8.157 101.941,11.082 ; 101.941,61.156 101.941,64.081 ; 102.366,8.082 102.366,10.34 cw(c105.183,10.34) 103.191,12.332 ; 102.366,61.081 102.366,63.339 cw(c105.183,63.339) 103.191,65.331 ; v1@102.666,43.682 v1(103.573,43.675) ; v1@102.666,96.681 v1(103.573,96.674) ; v1(102.791,42.247) v1(103.566,42.247) ; v1(102.791,95.246) v1(103.566,95.246) ; v1(102.798,43.675) v1@103.705,43.668 ; v1(102.798,96.674) v1@103.705,96.667 ; 104.916,30.907 104.916,14.057 101.941,11.082 ; 104.916,83.906 104.916,67.056 101.941,64.081 ; 106.866,26.832 106.866,30.007 108.966,32.107 ; 106.866,79.831 106.866,83.006 108.966,85.106 ; 117.016,25.332 v1@117.016,27.167 ; 117.016,78.331 v1@117.016,80.166 ; v1(118.796,34.35) v1(118.796,35.125) ; v1(118.796,87.349) v1(118.796,88.124) ; v1(118.858,30.375) v1(118.858,31.15) 118.858,32.299 ; v1(118.858,83.374) v1(118.858,84.149) 118.858,85.298 ; v1(119.558,42) v1(120.339,42) ; v1(119.558,94.999) v1(120.339,94.999) ; v1(120.708,15.425) v1@121.27,14.863 ; v1(120.708,68.424) v1@121.27,67.862 ; 120.966,27.232 cw(c120.74,27.458) 120.74,27.139 v1(119.694,27.139) v1(119.694,27.914) 121.275,27.914 cw(c121.275,27.891) 121.291,27.907 cw(c121.231,27.847) 121.316,27.847 121.316,27.307 ; 120.966,80.231 cw(c120.74,80.457) 120.74,80.137 v1(119.694,80.137) v1(119.694,80.913) 121.275,80.913 cw(c121.275,80.89) 121.291,80.906 cw(c121.231,80.846) 121.316,80.846 121.316,80.306 ; v1@123.116,30.182 123.116,31.032 123.191,31.032 ; 123.116,31.082 cw(c123.075,31.041) 123.133,31.041 v1(123.133,30.163) v1(123.908,30.163) 123.908,31.163 cw(c123.935,31.163) 123.916,31.182 ; v1@123.116,83.181 123.116,84.031 123.191,84.031 ; 123.116,84.081 cw(c123.075,84.04) 123.133,84.04 v1(123.133,83.162) v1(123.908,83.162) 123.908,84.162 cw(c123.935,84.162) 123.916,84.181 ; 125.716,25.007 125.716,26.381 v1@125.716,27.933 ; 125.716,78.006 125.716,79.379 v1@125.716,80.932 ; v1@127.566,30.396 127.566,32.307 ; v1@127.566,83.395 127.566,85.306 ; v1@150.27,48.663 v1(150.833,49.225) cw(c150.773,49.225) 150.815,49.182 v1(150.283,48.65) ; v1@150.27,101.662 v1(150.833,102.224) cw(c150.773,102.224) 150.815,102.181 v1(150.283,101.649) ; v1(150.308,13.625) 150.84,14.157 ccw(c150.798,14.2) v1(150.858,14.2) ; v1(150.308,66.624) 150.84,67.156 ccw(c150.798,67.199) v1(150.858,67.199) ; 172.516,8.082 172.516,10.056 cw(c173.967,10.056) 172.941,11.082 ; 172.516,61.081 172.516,63.055 cw(c173.967,63.055) 172.941,64.081 ; 172.941,8.157 172.941,11.082 ; 172.941,61.156 172.941,64.081 ; 173.366,8.082 173.366,10.34 cw(c176.183,10.34) 174.191,12.332 ; 173.366,61.081 173.366,63.339 cw(c176.183,63.339) 174.191,65.331 ; v1@173.666,43.682 v1(174.573,43.675) ; v1@173.666,96.681 v1(174.573,96.674) ; v1(173.791,42.247) v1(174.566,42.247) ; v1(173.791,95.246) v1(174.566,95.246) ; v1(173.798,43.675) v1@174.705,43.668 ; v1(173.798,96.674) v1@174.705,96.667 ; 175.916,30.907 175.916,14.057 172.941,11.082 ; 175.916,83.906 175.916,67.056 172.941,64.081 ; 177.866,26.832 177.866,30.007 179.966,32.107 ; 177.866,79.831 177.866,83.006 179.966,85.106 ; 188.016,25.332 v1@188.016,27.167 ; 188.016,78.331 v1@188.016,80.166 ; v1(189.796,34.35) v1(189.796,35.125) ; v1(189.796,87.349) v1(189.796,88.124) ; v1(189.858,30.375) v1(189.858,31.15) 189.858,32.299 ; v1(189.858,83.374) v1(189.858,84.149) 189.858,85.298 ; v1(190.558,42) v1(191.339,42) ; v1(190.558,94.999) v1(191.339,94.999) ; v1(191.708,15.425) v1@192.27,14.863 ; v1(191.708,68.424) v1@192.27,67.862 ; 191.966,27.232 cw(c191.74,27.458) 191.74,27.139 v1(190.694,27.139) v1(190.694,27.914) 192.275,27.914 cw(c192.275,27.891) 192.291,27.907 cw(c192.231,27.847) 192.316,27.847 192.316,27.307 ; 191.966,80.231 cw(c191.74,80.457) 191.74,80.137 v1(190.694,80.137) v1(190.694,80.913) 192.275,80.913 cw(c192.275,80.89) 192.291,80.906 cw(c192.231,80.846) 192.316,80.846 192.316,80.306 ; v1@194.116,30.182 194.116,31.032 194.191,31.032 ; 194.116,31.082 cw(c194.075,31.041) 194.133,31.041 v1(194.133,30.163) v1(194.908,30.163) 194.908,31.163 cw(c194.935,31.163) 194.916,31.182 ; v1@194.116,83.181 194.116,84.031 194.191,84.031 ; 194.116,84.081 cw(c194.075,84.04) 194.133,84.04 v1(194.133,83.162) v1(194.908,83.162) 194.908,84.162 cw(c194.935,84.162) 194.916,84.181 ; 196.716,25.007 196.716,26.381 v1@196.716,27.933 ; 196.716,78.006 196.716,79.379 v1@196.716,80.932 ; v1@198.566,30.396 198.566,32.307 ; v1@198.566,83.395 198.566,85.306 ; v1(57.42,27.139) v1(57.42,27.914) 57.684,27.649 ccw(c58.691,28.656) 58.691,27.232 cw(c58.465,27.458) 58.465,27.139 v1(57.42,27.139) ; 57.42,80.137 58.465,80.137 ccw(c58.465,80.457) 58.691,80.231 cw(c58.691,81.655) 57.684,80.648 57.42,80.913 57.42,80.137 ; v1(128.419,27.139) v1(128.419,27.914) 128.684,27.649 ccw(c129.691,28.656) 129.691,27.232 cw(c129.465,27.458) 129.465,27.139 v1(128.419,27.139) ; v1(128.419,80.137) v1(128.419,80.913) 128.684,80.648 ccw(c129.691,81.655) 129.691,80.231 cw(c129.465,80.457) 129.465,80.137 v1(128.419,80.137) ; v1(199.419,27.139) v1(199.419,27.914) 199.684,27.649 ccw(c200.691,28.656) 200.691,27.232 cw(c200.465,27.458) 200.465,27.139 v1(199.419,27.139) ; v1(199.419,80.137) v1(199.419,80.913) 199.684,80.648 ccw(c200.691,81.655) 200.691,80.231 cw(c200.465,80.457) 200.465,80.137 v1(199.419,80.137)